# Altium PCB carrier_bak.PcbDoc (part 1 of 5) (continued)
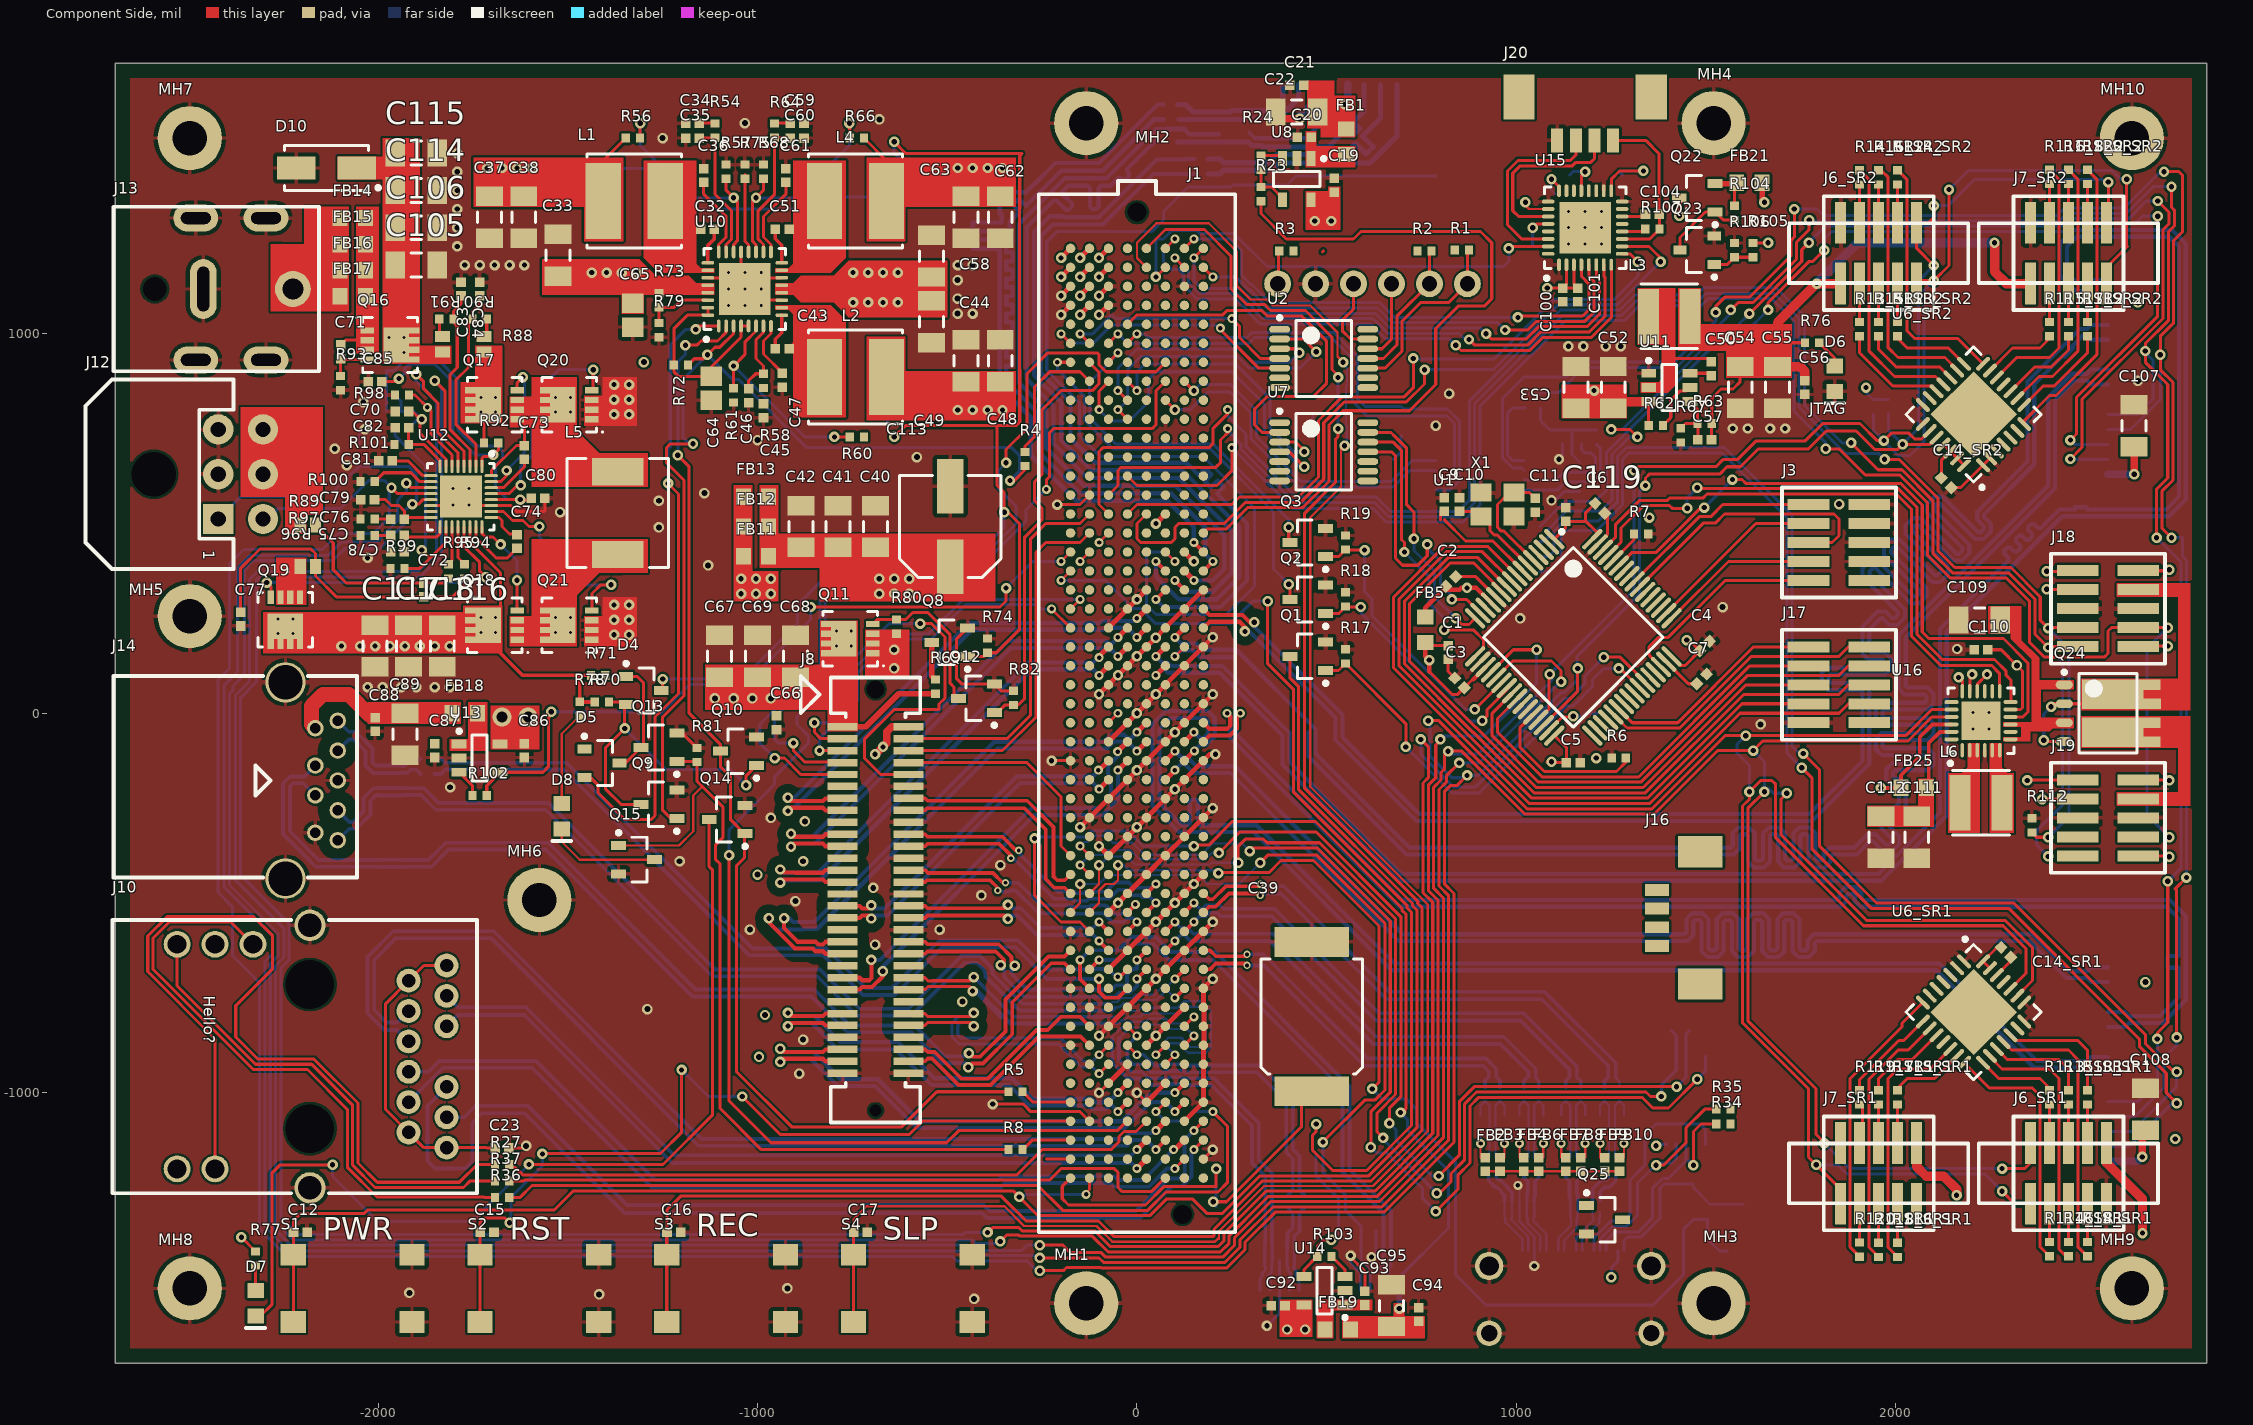
[diagram p0: Component Side view]
## Classes and differential pairs
net class 50ohm: SDC_CLK SDC_CMD SDC_D0 SDC_D1 SDC_D2 SDC_D3 SDCARD_CMD SDCARD_DAT0 SDCARD_DAT1 SDCARD_DAT2 SDCARD_DAT3
differential pair class usb_diff90: USB0_D USB1_D USBM2_D
component class CAM0: C13 C18 C107 C108 J4 J5 R11 R12 R20 R21 R22 R128 R129 R130 U3 U4 U5
component class carrier: C1 C2 C3 C4 C5 C6 C7 C8 C9 C10 C11 C12 C15 C16 C17 C39 C119 FB5 J2 J3 J16 J17 MH1 MH2 MH3 MH4 MH5 MH6 MH7 MH8 MH9 MH10 Q1 Q2 Q3 R1 R2 R3 R4 R5 R6 R7 R8 R9 R10 R17 R18 R19 S1 S2 S3 S4 U1 U2 U7 X1
component class ETH: C23 C24 C25 C26 C27 C28 C29 C30 C31 D1 D2 D3 FB2 FB3 FB4 FB6 FB7 FB8 FB9 FB10 J10 J11 Q4 Q25 R27 R28 R30 R32 R33 R34 R35 R36 R37 R38 R39 R40 R41 R42 R43 R44 R45 R46 R47 R48 R49 R50 R51 R52 R53 U9
component class GPIO: C109 C110 C111 C112 FB25 J18 J19 L6 Q24 R112 U16
component class M2: C19 C20 C21 C22 D14 D15 FB1 J8 J9 R23 R24 R25 R26 R125 R126 R127 U8
component class NVM: J1
component class PS1: C32 C33 C34 C35 C36 C37 C38 C40 C41 C42 C43 C44 C45 C46 C47 C48 C49 C50 C51 C52 C53 C54 C55 C56 C57 C58 C59 C60 C61 C62 C63 C64 C65 C66 C67 C68 C69 C70 C71 C72 C73 C74 C75 C76 C77 C78 C79 C80 C81 C82 C83 C84 C85 C105 C106 C113 C114 C115 C116 C117 C118 D4 D5 D6 D7 D8 D9 D10 FB11 FB12 FB13 FB14 FB15 FB16 FB17 J12 J13 L1 L2 L3 L4 L5 Q5 Q6 Q7 Q8 Q9 Q10 Q11 Q12 Q13 Q14 Q15 Q16 Q17 Q18 Q19 Q20 Q21 R54 R55 R56 R57 R58 R59 R60 R61 R62 R63 R64 R65 R66 R67 R68 R69 R70 R71 R72 R73 R74 R75 R76 R77 R78 R79 R80 R81 R82 R83 R84 R85 R86 R87 R88 R89 R90 R91 R92 R93 R94 R95 R96 R97 R98 R99 R100 R101 U10 U11 U12
component class SND: C98 C99 C100 C101 C102 C103 C104 FB21 J20 Q22 Q23 R104 R105 R106 R107 SPK1 U15
component class SR1: C14_SR1 J6_SR1 J7_SR1 R13_SR1 R14_SR1 R15_SR1 R16_SR1 R113_SR1 R114_SR1 R115_SR1 R116_SR1 R117_SR1 R118_SR1 R119_SR1 R120_SR1 U6_SR1
component class SR2: C14_SR2 J6_SR2 J7_SR2 R13_SR2 R14_SR2 R15_SR2 R16_SR2 R113_SR2 R114_SR2 R115_SR2 R116_SR2 R117_SR2 R118_SR2 R119_SR2 R120_SR2 U6_SR2
component class USB: C86 C87 C88 C89 C90 C91 C92 C93 C94 C95 C96 C97 D11 D12 D13 D16 FB18 FB19 J14 J15 R102 R103 U13 U14
net class diff90: USB0_D_N USB0_D_P USB0_RX_N USB0_RX_P USB0_TX_N USB0_TX_P USB0_TXc_N USB0_TXc_P USB1_D_N USB1_D_P USB1_RX_N USB1_RX_P USB1_TX_N USB1_TX_P USB1_TXc_N USB1_TXc_P USBM2_D_N USBM2_D_P USBM2_RX_N USBM2_RX_P USBM2_TX_N USBM2_TX_P
net class diff95: SATA_RX_N SATA_RX_P SATA_TX_N SATA_TX_P
net class diff100: CSI0_CLK_N CSI0_CLK_P CSI0_D0_N CSI0_D0_P CSI0_D1_N CSI0_D1_P CSI1_CLK_N CSI1_CLK_P CSI1_D0_N CSI1_D0_P CSI1_D1_N CSI1_D1_P CSI2_CLK_N CSI2_CLK_P CSI2_D0_N CSI2_D0_P CSI2_D1_N CSI2_D1_P CSI3_CLK_N CSI3_CLK_P CSI3_D0_N CSI3_D0_P CSI3_D1_N CSI3_D1_P DP0_D0_C_N DP0_D0_C_P DP0_D0_J_N DP0_D0_J_P DP0_D0_N DP0_D0_P DP0_D1_C_N DP0_D1_C_P DP0_D1_J_N DP0_D1_J_P DP0_D1_N DP0_D1_P DP0_D2_C_N DP0_D2_C_P DP0_D2_J_N DP0_D2_J_P DP0_D2_N DP0_D2_P DP0_D3_C_N DP0_D3_C_P DP0_D3_J_N DP0_D3_J_P DP0_D3_N DP0_D3_P DPM2_AUX_N DPM2_AUX_P DPM2_D0_N DPM2_D0_P DPM2_D1_N DPM2_D1_P DPM2_D2_N DPM2_D2_P DPM2_D3_N DPM2_D3_P MDI0_N MDI0_P MDI1_N MDI1_P MDI2_N MDI2_P MDI3_N MDI3_P
net class I2C_CAM1: I2C_CAM1.SCL I2C_CAM1.SDA
net class I2C_CAM2: I2C_CAM2.SCL I2C_CAM2.SDA
net class power: NetC21_2
channel class servos: SR1 SR2
differential pair class usb_diff100: USB0_RX USB0_TX USB0_TXc USB1_RX USB1_TX USB1_TXc USBM2_RX USBM2_TX
differential pair class hdmi_diff95: DP0_D0 DP0_D0_C DP0_D0_J DP0_D1 DP0_D1_C DP0_D1_J DP0_D2 DP0_D2_C DP0_D2_J DP0_D3 DP0_D3_C DP0_D3_J DPM2_AUX DPM2_D0 DPM2_D1 DPM2_D2 DPM2_D3
differential pair class csi_diff100: CSI0_CLK CSI0_D0 CSI0_D1 CSI1_CLK CSI1_D0 CSI1_D1 CSI2_CLK CSI2_D0 CSI2_D1 CSI3_CLK CSI3_D0 CSI3_D1
differential pair class mdi_diff: MDI0 MDI1 MDI2 MDI3
differential pair class sata_diff: SATA_RX SATA_TX
differential pair CSI0_CLK: +CSI0_CLK_P -CSI0_CLK_N
differential pair CSI0_D0: +CSI0_D0_P -CSI0_D0_N
differential pair CSI0_D1: +CSI0_D1_P -CSI0_D1_N
differential pair CSI1_CLK: +CSI1_CLK_P -CSI1_CLK_N
differential pair CSI1_D0: +CSI1_D0_P -CSI1_D0_N
differential pair CSI1_D1: +CSI1_D1_P -CSI1_D1_N
differential pair CSI2_CLK: +CSI2_CLK_P -CSI2_CLK_N
differential pair CSI2_D0: +CSI2_D0_P -CSI2_D0_N
differential pair CSI2_D1: +CSI2_D1_P -CSI2_D1_N
differential pair CSI3_CLK: +CSI3_CLK_P -CSI3_CLK_N
differential pair CSI3_D0: +CSI3_D0_P -CSI3_D0_N
differential pair CSI3_D1: +CSI3_D1_P -CSI3_D1_N
differential pair DP0_D0_C: +DP0_D0_C_P -DP0_D0_C_N
differential pair DP0_D0_J: +DP0_D0_J_P -DP0_D0_J_N
differential pair DP0_D0: +DP0_D0_P -DP0_D0_N
differential pair DP0_D1_C: +DP0_D1_C_P -DP0_D1_C_N
differential pair DP0_D1_J: +DP0_D1_J_P -DP0_D1_J_N
differential pair DP0_D1: +DP0_D1_P -DP0_D1_N
differential pair DP0_D2_C: +DP0_D2_C_P -DP0_D2_C_N
differential pair DP0_D2_J: +DP0_D2_J_P -DP0_D2_J_N
differential pair DP0_D2: +DP0_D2_P -DP0_D2_N
differential pair DP0_D3_C: +DP0_D3_C_P -DP0_D3_C_N
differential pair DP0_D3_J: +DP0_D3_J_P -DP0_D3_J_N
differential pair DP0_D3: +DP0_D3_P -DP0_D3_N
differential pair DPM2_AUX: +DPM2_AUX_P -DPM2_AUX_N
differential pair DPM2_D0: +DPM2_D0_P -DPM2_D0_N
differential pair DPM2_D1: +DPM2_D1_P -DPM2_D1_N
differential pair DPM2_D2: +DPM2_D2_P -DPM2_D2_N
differential pair DPM2_D3: +DPM2_D3_P -DPM2_D3_N
differential pair MDI0: +MDI0_P -MDI0_N
differential pair MDI1: +MDI1_P -MDI1_N
differential pair MDI2: +MDI2_P -MDI2_N
differential pair MDI3: +MDI3_P -MDI3_N
differential pair SATA_RX: +SATA_RX_P -SATA_RX_N
differential pair SATA_TX: +SATA_TX_P -SATA_TX_N
differential pair USB0_D: +USB0_D_P -USB0_D_N
differential pair USB0_RX: +USB0_RX_P -USB0_RX_N
differential pair USB0_TXc: +USB0_TXc_P -USB0_TXc_N
differential pair USB0_TX: +USB0_TX_P -USB0_TX_N
differential pair USB1_D: +USB1_D_P -USB1_D_N
differential pair USB1_RX: +USB1_RX_P -USB1_RX_N
differential pair USB1_TXc: +USB1_TXc_P -USB1_TXc_N
differential pair USB1_TX: +USB1_TX_P -USB1_TX_N
differential pair USBM2_D: +USBM2_D_P -USBM2_D_N
differential pair USBM2_RX: +USBM2_RX_P -USBM2_RX_N
differential pair USBM2_TX: +USBM2_TX_P -USBM2_TX_N

## Components (designator, comment, footprint, x,y, rotation, side; value= is the part's Value field where it differs from the comment)
C1 "cap" C1005[0402] 820,160 r270 top value=100n
C2 "cap" C1005[0402] 827.19,347.19 r45 top value=100n
C3 "cap" C1005[0402] 850,80 r135 top value=100n
C4 "cap" C1005[0402] 1496.06,177.17 r45 top value=100n
C5 "cap" C1005[0402] 1150,-130 r0 top value=100n
C6 "cap" C1005[0402] 1220,540 r315 top value=100n
C7 "cap" C1005[0402] 1488.19,90.55 r45 top value=100n
C8 "cap" C1005[0402] 1230.32,0 r0 bottom value=100n
C9 "cap" C1005[0402] 810,550 r90 top value=100n
C10 "cap" C1005[0402] 850,550 r90 top value=100n
C11 "cap" C1005[0402] 1050,548.11 r270 top value=100n
C12 "cap" C1005[0402] -2204.72,-1368.11 r180 top value=1n
C13 "cap" C1005[0402] 657.87,669.29 r180 bottom value=100n
C14_SR1 "cap" C1005[0402] 2290,-630 r135 top value=100n (schematic designator C14)
C14_SR2 "cap" C1005[0402] 2132.81,607.19 r135 top value=100n (schematic designator C14)
C15 "cap" C1005[0402] -1712.6,-1368.11 r180 top value=1n
C16 "cap" C1005[0402] -1220.47,-1368.11 r180 top value=1n
C17 "cap" C1005[0402] -728.35,-1368.11 r180 top value=1n
C18 "cap" C1005[0402] 1122.05,728.35 r90 bottom value=100n
C19 "cap" C1005[0402] 519.68,1391.73 r90 top value=100n
C20 "cap" C1005[0402] 440.94,1517.72 r0 top value=100n
C21 "cap" C1005[0402] 421.26,1655.51 r0 top value=10n
C22 "cap" C3216[1206] 421.26,1584.65 r0 top value=4u7
C23 "cap" C1005[0402] -1673.23,-1145.67 r180 top value=100n
C24 "cap" C1005[0402] 1271.65,-1003.94 r90 bottom value=100n
C25 "cap" C1005[0402] 1232.28,-1003.94 r90 bottom value=100n
C26 "cap" C1005[0402] 1169.29,-1003.94 r90 bottom value=100n
C27 "cap" C1005[0402] 1129.92,-1003.94 r90 bottom value=100n
C28 "cap" C1005[0402] 1059.06,-1003.94 r90 bottom value=100n
C29 "cap" C1005[0402] 1019.68,-1003.94 r90 bottom value=100n
C30 "cap" C1005[0402] 956.69,-1003.94 r90 bottom value=100n
C31 "cap" C1005[0402] 917.32,-1003.94 r90 bottom value=100n
C32 "cap" C1005[0402] -1131.89,1275.59 r0 top value=47n
C33 "cap" C3216[1206] -1525.59,1206.69 r270 top locked value=10u
C34 "cap" C1005[0402] -1171.26,1555.12 r0 top value=2n2
C35 "cap" C1005[0402] -1171.26,1515.75 r0 top value=22p
C36 "cap" C1005[0402] -1141.73,1417.32 r270 top value=10n
C37 "cap" C3216[1206] -1706.69,1307.09 r90 top locked value=22u
C38 "cap" C3216[1206] -1616.14,1307.09 r90 top locked value=22u
C39 "pcap" SC_DSK-3R3H224U-HL 460.63,-799.21 r90 top value=100n
C40 "cap" C3216[1206] -688.98,492.13 r270 top value=22u
C41 "cap" C3216[1206] -787.4,492.13 r270 top value=10u
C42 "cap" C3216[1206] -885.83,492.13 r270 top value=10u
C43 "cap" C1005[0402] -935.04,960.63 r180 top value=47n
C44 "cap" C3216[1206] -541.34,1031.5 r90 top locked value=10u
C45 "cap" C1005[0402] -984.25,797.24 r90 top value=2n2
C46 "cap" C1005[0402] -1023.62,836.61 r90 top value=22p
C47 "cap" C1005[0402] -935.04,877.56 r90 top value=10n
C48 "cap" C3216[1206] -360.24,929.13 r270 top locked value=22u
C49 "cap" C3216[1206] -450.79,929.13 r270 top locked value=22u
C50 "cap" C1005[0402] 1513.07,907.87 r270 top value=47n
C51 "cap" C1005[0402] -935.04,1275.59 r180 top value=47n
C52 "cap" C3216[1206] 1255.2,858.66 r270 top value=22u
C53 "cap" C3216[1206] 1156.77,858.66 r270 top value=22u
C54 "cap" C3216[1206] 1589.84,858.66 r90 top value=10u
C55 "cap" C3216[1206] 1688.27,858.66 r90 top value=10u
C56 "cap" C1005[0402] 1759.84,858.27 r90 top value=100n
C57 "cap" C1005[0402] 1496.06,720.47 r180 top value=DNC
C58 "cap" C3216[1206] -541.34,1204.72 r270 top locked value=10u
C59 "cap" C1005[0402] -895.67,1555.12 r180 top value=2n2
C60 "cap" C1005[0402] -895.67,1515.75 r180 top value=22p
C61 "cap" C1005[0402] -925.2,1417.32 r270 top value=10n
C62 "cap" C3216[1206] -360.24,1307.09 r90 top locked value=22u
C63 "cap" C3216[1206] -450.79,1307.09 r90 top locked value=22u
C64 "cap" C2012[0805] -1122.05,856.3 r90 top value=1u
C65 "cap" C2012[0805] -1328.74,1049.21 r90 top value=1u
C66 "cap" C1005[0402] -950,-25 r90 top value=100n
C67 "cap" C3216[1206] -1100,150 r270 top value=22u
C68 "cap" C3216[1206] -900,150 r270 top value=22u
C69 "cap" C3216[1206] -1000,150 r270 top value=22u
C70 "cap" C1005[0402] -1937.01,795.28 r0 top value=100n
C71 "cap" C1005[0402] -2098.43,952.76 r90 top value=4u7
C72 "cap" C1005[0402] -1879.92,324.8 r270 top value=100n
C73 "cap" C1005[0402] -1614.17,687.4 r90 top value=47n
C74 "cap" C1005[0402] -1633.86,452.76 r270 top value=47n
C75 "cap" C1005[0402] -1948.82,468.5 r180 top value=100n
C76 "cap" C1005[0402] -1948.82,511.81 r180 top value=100n
C77 "cap" C1005[0402] -2362.2,248.03 r270 top value=100n
C78 "cap" C1005[0402] -1948.82,425.2 r180 top value=100n
C79 "cap" C1005[0402] -2027.56,562.99 r180 top value=100n
C80 "cap" C1005[0402] -1578.74,566.93 r0 top value=100n
C81 "cap" C1005[0402] -1980.31,665.35 r0 top value=100n
C82 "cap" C1005[0402] -1937.01,751.97 r0 top value=100n
C83 "cap" C1005[0402] -1781.5,1118.11 r270 top value=15n
C84 "cap" C1005[0402] -1732.28,1118.11 r270 top value=15n
C85 "cap" C1005[0402] -2007.87,874.02 r0 top value=470n
C86 "cap" C1005[0402] -1614.17,-98.43 r270 top value=100n
C87 "cap" C1005[0402] -1850.39,-98.43 r90 top value=100n
C88 "cap" C1005[0402] -2007.87,-29.53 r90 top value=10n
C89 "cap" C3216[1206] -1929.13,-55.12 r90 top value=4u7
C90 "cap" C1005[0402] -1870.08,-120 r0 bottom value=100n
C91 "cap" C1005[0402] -1870,-160 r0 bottom value=100n
C92 "cap" C1005[0402] 372.05,-1561.02 r180 top value=100n
C93 "cap" C1005[0402] 600.39,-1541.34 r270 top value=100n
C94 "cap" C1005[0402] 742.13,-1584.65 r270 top value=10n
C95 "cap" C3216[1206] 671.26,-1561.02 r270 top value=4u7
C96 "cap" C1005[0402] 398.74,-1286.46 r90 bottom value=100n
C97 "cap" C1005[0402] 440,-1286.46 r90 bottom value=100n
C98 "cap" C1005[0402] 1060,1230 r180 bottom value=100n
C99 "cap" C1005[0402] 1280,1400 r90 bottom value=100n
C100 "cap" C1005[0402] 1122.05,1102.36 r90 top value=100n
C101 "cap" C1005[0402] 1161.42,1102.36 r90 top value=100n
C102 "cap" C1005[0402] 1140,1400 r90 bottom value=100n
C103 "cap" C1005[0402] 1102.36,1350.39 r90 bottom value=100n
C104 "cap" C1005[0402] 1358.27,1314.96 r0 top value=100n
C105 "cap" C3216[1206] -1899.61,1181.1 r180 top value=10u
C106 "cap" C3216[1206] -1899.61,1279.53 r180 top value=10u
C107 "cap" C3216[1206] 2627.95,757.87 r90 top value=10u
C108 "cap" C3216[1206] 2657.48,-1043.31 r90 top value=10u
C109 "cap" C3216[1206] 2220.47,246.06 r0 top value=4u7
C110 "cap" C1005[0402] 2224.41,167.32 r0 top value=100n
C111 "cap" C3216[1206] 2055.12,-326.77 r90 top value=10u
C112 "cap" C3216[1206] 1960.63,-326.77 r90 top value=10u
C113 "pcap" CAPAE7366X55M -492.13,492.13 r90 top locked value=100n
C114 "cap" C3216[1206] -1899.61,1377.95 r180 top value=10u
C115 "cap" C3216[1206] -1899.61,1476.38 r180 top value=10u
C116 "cap" C3216[1206] -1830.71,177.17 r90 top value=10u
C117 "cap" C3216[1206] -2007.87,177.17 r90 top value=10u
C118 "cap" C3216[1206] -1919.29,177.17 r90 top value=10u
C119 "cap" C1005[0402] 1129.92,523.62 r90 top value=100n
D1 "TPD4E05U06" TI_PSON50P100X55-10N 1338.58,-1287.4 r270 bottom
D2 "TPD4E05U06" TI_PSON50P100X55-10N 1181.1,-1299.21 r270 bottom
D3 "TPD4E05U06" TI_PSON50P100X55-10N 1007.87,-1299.21 r90 bottom
D4 "BAS40-5" DCC_SOT95P235X110-3N -1300,60 r0 top
D5 "BAS40-5" DCC_SOT95P235X110-3N -1410,-131.5 r0 top
D6 "0603" LEDC1608X06N 1838.58,881.89 r90 top
D7 "0603" LEDC1608X06N -2322.83,-1555.12 r90 top
D8 "0603" LEDC1608X06N -1515.75,-271.65 r90 top
D9 "Zener" DCA_SOT95P235X110-3N -2050,660 r90 bottom
D10 "P6SMB12A" SMA_DIOM5226X22N -2135.83,1437.01 r180 top
D11 "TPD4E05U06" TI_PSON50P100X55-10N -1968.5,-177.17 r180 bottom
D12 "TPD4E05U06" TI_PSON50P100X55-10N 375.98,-1427.17 r90 bottom
D13 "TPD4E05U06" TI_PSON50P100X55-10N 629.92,-1377.95 r90 bottom
D14 "TPD4E05U06" TI_PSON50P100X55-10N 267.72,1411.42 r180 bottom
D15 "TPD4E05U06" TI_PSON50P100X55-10N 187.01,1545.28 r180 bottom
D16 "TPD4E05U06" TI_PSON50P100X55-10N -1968.5,-366.14 r180 bottom
FB1 "2506036007Y3" FBC1608X07N 551.18,1505.91 r90 top
FB2 "Ferrite bead" FBC1005X06N 917.32,-1188.98 r90 top value=600R
FB3 "Ferrite bead" FBC1005X06N 956.69,-1188.98 r90 top value=600R
FB4 "Ferrite bead" FBC1005X06N 1019.68,-1188.98 r90 top value=600R
FB5 "2506036007Y3" FBC1608X07N 760,220 r90 top
FB6 "Ferrite bead" FBC1005X06N 1059.06,-1188.98 r90 top value=600R
FB7 "Ferrite bead" FBC1005X06N 1129.92,-1188.98 r90 top value=600R
FB8 "Ferrite bead" FBC1005X06N 1169.29,-1188.98 r90 top value=600R
FB9 "Ferrite bead" FBC1005X06N 1232.28,-1188.98 r90 top value=600R
FB10 "Ferrite bead" FBC1005X06N 1271.65,-1188.98 r90 top value=600R
FB11 "2506036007Y3" FBC1608X07N -1003.94,413.39 r0 top
FB12 "2506036007Y3" FBC1608X07N -1003.94,492.13 r0 top
FB13 "2506036007Y3" FBC1608X07N -1003.94,570.87 r0 top
FB14 "2506036007Y3" FBC1608X07N -2066.93,1305.12 r0 top
FB15 "2506036007Y3" FBC1608X07N -2066.93,1236.22 r0 top
FB16 "2506036007Y3" FBC1608X07N -2066.93,1167.32 r0 top
FB17 "2506036007Y3" FBC1608X07N -2066.93,1098.43 r0 top
FB18 "2506036007Y3" FBC1608X07N -1771.65,0 r180 top
FB19 "2506036007Y3" FBC1608X07N 529.53,-1624.02 r0 top
FB21 "Ferrite bead" FBC1608X07N 1614.17,1397.64 r180 top value=60R
FB25 "Ferrite bead" FBC1608X07N 2047.24,-196.85 r180 top value=60R
J1 "SEAM-50-02.0-XX-08-X-A" SEAM-50-02.0-XX-08-X-A 0,0 r90 top locked
J2 "1x6" HDR_100MIL_1X6 370.87,1131.89 r0 bottom
J3 "FTSH-105-01-XXX-DV-K" FTSH-105-01-XXX-DV-K 1850,450 r90 top locked
J4 "ffc_1x15" fci_ffc_1mm_1x15 2559.06,-629.92 r270 bottom
J5 "ffc_1x15" fci_ffc_1mm_1x15 2559.06,1181.1 r270 bottom locked
J6_SR1 "FTSH-105-01-XXX-DV-K" FTSH-105-01-XXX-DV-K 2454.72,-1212.4 r180 top locked (schematic designator J6)
J6_SR2 "FTSH-105-01-XXX-DV-K" FTSH-105-01-XXX-DV-K 1954.72,1212.4 r0 top locked (schematic designator J6)
J7_SR1 "FTSH-105-01-XXX-DV-K" FTSH-105-01-XXX-DV-K 1954.72,-1212.4 r180 top locked (schematic designator J7)
J7_SR2 "FTSH-105-01-XXX-DV-K" FTSH-105-01-XXX-DV-K 2454.72,1212.4 r0 top locked (schematic designator J7)
J8 "61082-06xx0xxxx" fci_mezzanine_61082 -688.98,-492.13 r90 top locked
J9 "molex_usd" molex_usd 562.99,1667.32 r0 bottom locked
J10 "ARJE-025" abraconn_rj45_arje0025 -2179.53,-904.79 r270 top locked
J11 "685119136923" wurth_hdmi_mini 1141.73,-1456.69 r180 bottom
J12 "43045-0600" molex_microfit_2x6_90deg -2421.26,629.92 r270 top
J13 "PJ-082BH" CUI_DC_5.5MM_PJ028 -2696.85,1118.11 r0 top locked
J14 "usb3_a" usb3_a -2244.09,-177.17 r270 top locked
J15 "usb3_micro_ab" usb3_micro_ab 639.76,-1683.07 r180 bottom
J16 "1x4" molex_picoblade_1x4 1484.25,-539.37 r90 top
J17 "FTSH-105-01-XXX-DV-K" FTSH-105-01-XXX-DV-K 1850,75 r90 top locked
J18 "FTSH-105-01-XXX-DV-K" FTSH-105-01-XXX-DV-K 2559.06,275.59 r90 top
J19 "FTSH-105-01-XXX-DV-K" FTSH-105-01-XXX-DV-K 2559.06,-275.59 r90 top
J20 "1x4" molex_picoblade_1x4 1181.1,1624.02 r180 top
L1 "ASPI-0630LR-XXXM-T15" BOURNS_SRN6045TA-XXX -1324.8,1350.39 r180 top locked value=4u7
L2 "ASPI-0630LR-XXXM-T15" BOURNS_SRN6045TA-XXX -742.13,885.83 r0 top locked value=4u7
L3 "ASPI-0630LR-XXXM-T15" YUDEN_NRS4018T-XXXMDGJ 1402.83,1045.67 r0 top value=3u3
L4 "ASPI-0630LR-XXXM-T15" BOURNS_SRN6045TA-XXX -742.13,1350.39 r0 top locked value=4u7
L5 "ASPI-0630LR-XXXM-T15" VISHAY_IHLM2525CZERXXXM01 -1368.11,527.56 r270 top locked value=2u2
L6 "ASPI-0630LR-XXXM-T15" YUDEN_NRS4018T-XXXMDGJ 2224.41,-236.22 r180 top value=2u2
MH1 "M3" m2_pan_loose_round -133.86,-1555.12 r0 top locked
MH2 "M3" m2_pan_loose_round -133.86,1555.12 r0 top locked
MH3 "M3" m2_pan_loose_round 1519.68,-1555.12 r0 top locked
MH4 "M3" m2_pan_loose_round 1519.68,1555.12 r0 top locked
MH5 "M3" m2_pan_loose_round -2496.06,255.91 r0 top
MH6 "M3" m2_pan_loose_round -1574.8,-492.13 r0 top locked
MH7 "M3" m2_pan_loose_round -2496.06,1515.75 r0 top
MH8 "M3" m2_pan_loose_round -2496.06,-1515.75 r0 top
MH9 "M3" m2_pan_loose_round 2622.05,-1515.75 r0 top
MH10 "M3" m2_pan_loose_round 2622.05,1515.75 r0 top
Q1 "NTR4003N" NCH_SOT95P237X110-3N 450,150 r180 top
Q2 "NTR4003N" NCH_SOT95P237X110-3N 450,300 r180 top
Q3 "NTR4003N" NCH_SOT95P237X110-3N 450,450 r180 top
Q4 "NTR4003N" NCH_SOT95P237X110-3N 1503.94,-1287.4 r270 bottom
Q5 "NTR4003N" NCH_SOT95P237X110-3N -1456.69,1397.64 r180 bottom
Q6 "NTR4003N" NCH_SOT95P237X110-3N -610.24,836.61 r0 bottom
Q7 "NTR4003N" NCH_SOT95P237X110-3N -610.24,1397.64 r0 bottom
Q8 "NTR4003N" NCH_SOT95P237X110-3N -493.55,187.01 r180 top
Q9 "NTR4003N" NCH_SOT95P237X110-3N -1260,-240 r180 top
Q10 "NTR4003N" NCH_SOT95P237X110-3N -1050,-100 r180 top
Q11 "FDMC6679AZ" NCH_SON65P330X80_HS-9N -755.91,196.85 r180 top
Q12 "NTR4003N" NCH_SOT95P237X110-3N -423.23,39.37 r180 top
Q13 "NTR4003N" NCH_SOT95P237X110-3N -1260,-90 r180 top
Q14 "NTR4003N" NCH_SOT95P237X110-3N -1080,-280 r180 top
Q15 "NTR4003N" NCH_SOT95P237X110-3N -1318.9,-385.83 r0 top
Q16 "FDMC6679AZ" NCH_SON65P330X80_HS-9N -1968.5,970.47 r0 top
Q17 "CSD17551" NCH_SON65P330X80_HS-9N -1692.91,812.99 r180 top locked
Q18 "CSD17551" NCH_SON65P330X80_HS-9N -1692.91,232.28 r180 top locked
Q19 "FDMC6679AZ" NCH_SON65P330X80_HS-9N -2244.09,246.06 r270 top
Q20 "CSD17551" NCH_SON65P330X80_HS-9N -1496.06,812.99 r180 top locked
Q21 "CSD17551" NCH_SON65P330X80_HS-9N -1496.06,232.28 r180 top locked
Q22 "DMG2301L" NCH_SOT95P237X110-3N 1476.38,1358.27 r180 top
Q23 "MMBT3904" NPN_SOT95P230X110-3N 1476.38,1220.47 r180 top
Q24 "PHPT610030PK" NXP_LFPAK56D127P610X105-8N 2559.06,0 r0 top
Q25 "NTR4003N" NCH_SOT95P237X110-3N 1232.28,-1334.84 r0 top
R1 "res" R1005[0402] 856.3,1220.47 r180 top value=10K
R2 "res" R1005[0402] 757.87,1218.5 r180 top value=10K
R3 "res" R1005[0402] 393.7,1218.5 r0 top value=POLYFUSE
R4 "res" R1005[0402] -295,670 r270 top value=0R
R5 "res" R1005[0402] -320,-997.46 r180 top value=0R
R6 "res" R1005[0402] 1269.68,-118.11 r0 top value=10K
R7 "res" R1005[0402] 1328.74,472.44 r180 top value=10K
R8 "res" R1005[0402] -320,-1150 r180 top value=0R
R9 "res" R1005[0402] 1940.94,807.09 r90 bottom value=10K
R10 "res" R1005[0402] 1980.32,808.07 r90 bottom value=10K
R11 "res" R1005[0402] 1210.63,728.35 r90 bottom value=10K
R12 "res" R1005[0402] 1171.26,728.35 r90 bottom value=10K
R13_SR1 "res" R1005[0402] 2504.72,-1012.4 r270 top value=220R (schematic designator R13)
R13_SR2 "res" R1005[0402] 1904.72,1012.4 r90 top value=220R (schematic designator R13)
R14_SR1 "res" R1005[0402] 2504.72,-1412.4 r90 top value=220R (schematic designator R14)
R14_SR2 "res" R1005[0402] 1904.72,1412.4 r270 top value=220R (schematic designator R14)
R15_SR1 "res" R1005[0402] 2454.72,-1012.4 r270 top value=220R (schematic designator R15)
R15_SR2 "res" R1005[0402] 1954.72,1012.4 r90 top value=220R (schematic designator R15)
R16_SR1 "res" R1005[0402] 2454.72,-1412.4 r90 top value=220R (schematic designator R16)
R16_SR2 "res" R1005[0402] 1954.72,1412.4 r270 top value=220R (schematic designator R16)
R17 "res" R1005[0402] 550,150 r270 top value=10K
R18 "res" R1005[0402] 550,300 r270 top value=10K
R19 "res" R1005[0402] 550,450 r270 top value=10K
R20 "res" R1005[0402] 1062.99,822.83 r90 bottom value=DNC
R21 "res" R1005[0402] 1023.62,822.83 r270 bottom value=0R
R22 "res" R1005[0402] 1043.31,374.02 r180 bottom value=10K
R23 "res" R1005[0402] 326.77,1368.11 r90 top value=10K
R24 "res" R1005[0402] 326.77,1450.79 r90 top value=100R
R25 "res" R1005[0402] 88.58,1505.91 r0 bottom value=10R
R26 "res" R1005[0402] 88.58,1564.96 r0 bottom value=10R
R27 "res" R1005[0402] -1673.23,-1188.98 r0 top value=680R
R28 "res" R1005[0402] 1574.8,-1417.32 r0 bottom value=10K
R30 "res" R1005[0402] 1598.43,-1275.59 r90 bottom value=100K
R32 "res" R1005[0402] 1407.48,-816.93 r90 bottom value=1K8
R33 "res" R1005[0402] 1456.69,-816.93 r90 bottom value=1K8
R34 "res" R1005[0402] 1545.28,-1082.68 r0 top value=10K
R35 "res" R1005[0402] 1545.28,-1043.31 r0 top value=10K
R36 "res" R1005[0402] -1673.23,-1275.59 r180 top value=680R
R37 "res" R1005[0402] -1673.23,-1232.28 r0 top value=680R
R38 "res" R1005[0402] 1271.65,-1188.98 r270 bottom value=5R6
R39 "res" R1005[0402] 1232.28,-1188.98 r270 bottom value=5R6
R40 "res" R1005[0402] 1169.29,-1188.98 r270 bottom value=5R6
R41 "res" R1005[0402] 1129.92,-1188.98 r270 bottom value=5R6
R42 "res" R1005[0402] 1059.05,-1188.98 r270 bottom value=5R6
R43 "res" R1005[0402] 1019.68,-1188.98 r270 bottom value=5R6
R44 "res" R1005[0402] 956.69,-1188.98 r270 bottom value=5R6
R45 "res" R1005[0402] 917.32,-1188.98 r270 bottom value=5R6
R46 "res" R1005[0402] 905.51,-1078.74 r90 bottom value=499R
R47 "res" R1005[0402] 968.5,-1078.74 r90 bottom value=499R
R48 "res" R1005[0402] 1007.87,-1078.74 r90 bottom value=499R
R49 "res" R1005[0402] 1070.87,-1078.74 r90 bottom value=499R
R50 "res" R1005[0402] 1118.11,-1078.74 r90 bottom value=499R
R51 "res" R1005[0402] 1181.1,-1078.74 r90 bottom value=499R
R52 "res" R1005[0402] 1220.47,-1078.74 r90 bottom value=499R
R53 "res" R1005[0402] 1283.46,-1078.74 r90 bottom value=499R
R54 "res" R1005[0402] -1112.2,1535.43 r270 top value=30K
R55 "res" R1005[0402] -1555.12,1417.32 r270 bottom value=100R
R56 "res" R1005[0402] -1328.74,1515.75 r0 top value=10K
R57 "res" R1005[0402] -1082.68,1427.17 r90 top value=10K
R58 "res" R1005[0402] -984.25,875.98 r90 top value=30K
R59 "res" R1005[0402] -511.81,818.9 r90 bottom value=47R
R60 "res" R1005[0402] -738.19,728.35 r180 top value=10K
R61 "res" R1005[0402] -1062.99,837.6 r270 top value=10K
R62 "res" R1005[0402] 1367.4,758.27 r0 top value=10K
R63 "res" R1005[0402] 1496.06,763.78 r0 top value=10K
R64 "res" R1005[0402] -954.72,1535.43 r270 top value=30K
R65 "res" R1005[0402] -511.81,1417.32 r270 bottom value=36R
R66 "res" R1005[0402] -738.19,1515.75 r180 top value=10K
R67 "res" R1005[0402] 1433.07,732.28 r90 top value=10K
R68 "res" R1005[0402] -984.25,1427.17 r90 top value=10K
R69 "res" R1005[0402] -531.5,69.88 r270 top value=10K
R70 "res" R1005[0402] -1410,30 r0 top value=100K
R71 "res" R1005[0402] -1420,100 r0 top value=100K
R72 "res" R1005[0402] -1201.86,917.48 r0 top value=DNC
R73 "res" R1005[0402] -1259.84,1088.58 r90 top value=10K
R74 "res" R1005[0402] -393.7,178.15 r270 top value=100K
R75 "res" R1005[0402] -1033.46,1427.17 r270 top value=10K
R76 "res" R1005[0402] 1779.53,976.38 r180 top value=10K
R77 "res" R1005[0402] -2322.83,-1437.01 r90 top value=10K
R78 "res" R1005[0402] -1468.5,11.81 r90 top value=10K
R79 "res" R1005[0402] -1259.84,1009.84 r90 top value=10K
R80 "res" R1005[0402] -633.86,228.35 r270 top value=100K
R81 "res" R1005[0402] -1160,-110 r90 top value=100K
R82 "res" R1005[0402] -324.8,40.35 r270 top value=470K
R83 "res" R1005[0402] -2180,540 r180 bottom value=DNC
R84 "res" R1005[0402] -2180,580 r180 bottom value=DNC
R85 "res" R1005[0402] -1937.01,838.58 r0 bottom value=10K
R86 "res" R1005[0402] -1937.01,751.97 r180 bottom value=10K
R87 "res" R1005[0402] -1958.66,795.28 r0 bottom value=10R
R88 "res_sens" 4W_R320P320X90-4N -1775.59,972.44 r180 top value=10K
R89 "res_sens" 4W_R320P320X90-4N -2185.04,440.94 r90 top value=10K
R90 "res" R1005[0402] -1819.88,1039.37 r180 top value=10R
R91 "res" R1005[0402] -1732.28,1039.37 r0 top value=10R
R92 "res" R1005[0402] -1701.77,712.6 r180 top value=1R
R93 "res" R1005[0402] -2098.43,870.08 r90 top value=10K
R94 "res" R1005[0402] -1771.65,374.02 r270 top value=10K
R95 "res" R1005[0402] -1814.96,374.02 r270 top value=10K
R96 "res" R1005[0402] -2027.56,468.5 r0 top value=10K
R97 "res" R1005[0402] -2027.56,511.81 r0 top value=10K
R98 "res" R1005[0402] -1937.01,838.58 r180 top value=10K
R99 "res" R1005[0402] -1948.82,381.89 r180 top value=10K
R100 "res" R1005[0402] -2027.56,610.24 r0 top value=10K
R101 "res" R1005[0402] -1937.99,708.66 r0 top value=10K
R102 "res" R1005[0402] -1732.28,-216.54 r180 top value=100R
R103 "res" R1005[0402] 494.09,-1431.1 r0 top value=100R
R104 "res" R1005[0402] 1574.8,1318.9 r90 top value=100K
R105 "res" R1005[0402] 1624.02,1220.47 r270 top value=10K
R106 "res" R1005[0402] 1574.8,1220.47 r270 top value=10K
R107 "res" R1005[0402] 1358.27,1275.59 r180 top value=2K2
R112 "res" R1005[0402] 2358.27,-295.28 r270 top value=10K
R113_SR1 "res" R1005[0402] 2404.72,-1012.4 r270 top value=220R (schematic designator R113)
R113_SR2 "res" R1005[0402] 2004.72,1012.4 r90 top value=220R (schematic designator R113)
R114_SR1 "res" R1005[0402] 2404.72,-1412.4 r90 top value=220R (schematic designator R114)
R114_SR2 "res" R1005[0402] 2004.72,1412.4 r270 top value=220R (schematic designator R114)
R115_SR1 "res" R1005[0402] 2004.72,-1012.4 r270 top value=220R (schematic designator R115)
R115_SR2 "res" R1005[0402] 2404.72,1012.4 r90 top value=220R (schematic designator R115)
R116_SR1 "res" R1005[0402] 2004.72,-1414.37 r90 top value=220R (schematic designator R116)
R116_SR2 "res" R1005[0402] 2404.72,1413.39 r270 top value=220R (schematic designator R116)
R117_SR1 "res" R1005[0402] 1954.72,-1012.4 r270 top value=220R (schematic designator R117)
R117_SR2 "res" R1005[0402] 2454.72,1012.4 r90 top value=220R (schematic designator R117)
R118_SR1 "res" R1005[0402] 1954.72,-1414.37 r90 top value=220R (schematic designator R118)
R118_SR2 "res" R1005[0402] 2454.72,1413.39 r270 top value=220R (schematic designator R118)
R119_SR1 "res" R1005[0402] 1904.72,-1012.4 r270 top value=220R (schematic designator R119)
R119_SR2 "res" R1005[0402] 2504.72,1012.4 r90 top value=220R (schematic designator R119)
R120_SR1 "res" R1005[0402] 1904.72,-1413.39 r90 top (schematic designator R120)
R120_SR2 "res" R1005[0402] 2504.72,1413.39 r270 top (schematic designator R120)
R125 "res" R1005[0402] 88.58,1604.33 r0 bottom value=10R
R126 "res" R1005[0402] 169.29,1421.26 r0 bottom value=10R
R127 "res" R1005[0402] 169.29,1460.63 r0 bottom value=10R
R128 "res" R1005[0402] 1043.31,413.39 r180 bottom value=10K
R129 "res" R1005[0402] 1043.31,452.76 r180 bottom value=10K
R130 "res" R1005[0402] 1043.31,492.13 r180 bottom value=10K
S1 "PWR" SW_6MM_TACT -2066.93,-1515.75 r90 top
S2 "RST" SW_6MM_TACT -1574.8,-1515.75 r90 top
S3 "REC" SW_6MM_TACT -1082.68,-1515.75 r90 top
S4 "SLP" SW_6MM_TACT -590.55,-1515.75 r90 top
SPK1 "AS01808AO-SC-WP-R" PUI_AUDIO_SPEAKER 2085,1615 r0 bottom
U1 "STM32F415RGT6" STM-LQFP64_N 1150,200 r315 top locked
U2 "LSF0204" TI_TSOP65P640X120-14N 492.13,935.04 r0 top
U3 "TCA9548A" TI_TSOP65P640X120-24N 1283.78,520 r180 bottom
U4 "LSF0204" TI_TSOP65P640X120-14N 904,640 r0 bottom
U5 "AT24C02D" AT_TSOP65P640X120-8N 580,770 r0 bottom
U6_SR1 "PCA9685" NXP_QFN65P600X600X100_HS-29M 2204.72,-787.4 r315 top locked (schematic designator U6)
U6_SR2 "PCA9685" NXP_QFN65P600X600X100_HS-29M 2204.72,787.4 r135 top locked (schematic designator U6)
U7 "LSF0204" TI_TSOP65P640X120-14N 492.13,688.98 r0 top
U8 "TPS2065C" TI_SOT95P280X145-5N 421.26,1407.48 r270 top
U9 "LSF0204" TI_TSOP65P640X120-14N 1472.44,-1019.68 r270 bottom
U10 "tps65261" TI_QFN50P500X500X100_HS-33M -1033.46,1118.11 r90 top locked
U11 "tps56120x" TI_SOT95P280X110-6N 1402.83,858.66 r0 top
U12 "BQ25703A" TI_QFN40P400X400X80_HS-33M -1781.5,570.87 r270 top
U13 "TPS2065C" TI_SOT95P280X145-5N -1732.28,-118.11 r0 top
U14 "TPS2065C" TI_SOT95P280X145-5N 494.09,-1521.65 r180 top
U15 "TLV320AIC31XX" TI_QFN50P500X500X100_HS-33M 1181.1,1279.53 r90 top locked
U16 "LM3549" TI_QFN50P400X400X80_HS-25M 2224.41,-19.68 r90 top locked
X1 "crystal_shielded" FA-238 950,550 r0 top value=25.00MHz

## Footprints (in the part's own frame and the unit in brackets; to place one, negate y for a bottom-side part, rotate by r counter-clockwise, add the part's x,y. Pads: shape width x height; smd on the part's side, far side on the other; paste and mask are expansions set on the pad)
4W_R320P320X90-4N [mm] "WSK1206 4 Lead 1206, 4-Leads, Body 1.60x3.20mm, Pitch 3.20mm, IPC Medium Density"
  rect 1x0.75 smd: 1(-1.389,0.51) 2(1.389,0.51) S1(-1.389,-0.51) S2(1.389,-0.51)
  silkscreen extent -1.78,1.28 -1.68,1.37, body extent -1.73,-0.92 1.73,0.92, height 0.9
abraconn_rj45_arje0025 [mm]
  round 1.6 hole 0.9: 1(5.08,6.604) 2(3.048,6.604) 3(1.016,6.604) 4(-1.016,6.604) 5(-3.048,6.604) 6(-5.08,6.604) 7(6.096,9.144) 8(4.064,9.144) 9(2.032,9.144) 10(-2.032,9.144) 11(-4.064,9.144) 12(-6.096,9.144)
  round 1.8 hole 1.27: 13(7.518,-6.35) 14(7.518,-8.89) 15(-7.518,-3.81) 16(-7.518,-6.35) 17(-7.518,-8.89)
  round 2.1 hole 3.251: 18(-4.826,0) 18(4.826,0)
  round 2.1 hole 1.57: SHIELD(-8.788,0) SHIELD(8.788,0)
  silkscreen extent -9.14,-13.21 9.14,11.18, body extent -10.34,-13.21 10.34,11.17, height 15.35
AT_TSOP65P640X120-8N [mm] "TSOP, 8-Leads, Body 3.00x4.40mm, Pitch 0.65mm, IPC Medium Density"
  oval 1.4x0.45 smd: 1(-2.95,0.975) 2(-2.95,0.325) 3(-2.95,-0.325) 4(-2.95,-0.975) 5(2.95,-0.975) 6(2.95,-0.325) 7(2.95,0.325) 8(2.95,0.975)
  silkscreen extent -3.07,-1.55 1.85,1.87, body extent -2.25,-1.55 2.25,1.55, height 1.2
BOURNS_SRN6045TA-XXX [mm] "Molded Inductor, 2-Leads, Body 6.00x6.00mm, IPC Medium Density"
  rect 2.35x5.1 smd: 1(-2.075,0) 2(2.075,0)
  silkscreen extent -3.15,-3.15 3.15,3.15, body extent -3.15,-3.15 3.15,3.15, height 4.2
C1005[0402] [mm] "1005[0402]"
  rect 0.64x0.64 smd: 1(-0.46,0) 2(0.46,0)
  body extent -0.55,-0.3 0.55,0.3, height 0.6
C2012[0805] [mm] "2012[0805]"
  rect 1.3x1.45 smd: 1(-0.8,0) 2(0.8,0)
  body extent -1.1,-0.72 1.1,0.72, height 1.1
C3216[1206] [mm] "3216[1206]"
  rect 1.3x1.8 smd: 1(-1.4,0) 2(1.4,0)
  silkscreen extent -0.35,-0.8 0.35,0.8, body extent -1.7,-0.9 1.7,0.9, height 1.35
CAPAE7366X55M [mm] "Aluminum Electrolytic Capacitor, Body 6.60x6.60x5.50mm, IPC Low Density"
  rect 3.65x1.8 smd: 1(-2.7,0) 2(2.7,0)
  silkscreen extent -3.4,-3.4 3.4,3.4, body extent -3.65,-3.4 3.65,3.4, height 5.5
CUI_DC_5.5MM_PJ028 [mm] "2.5MM 5.5MM PJ-028BH"
  round 2.4 hole 1.4: 1(12,0)
  rrect100% 1.8x4 hole 0.8 slot 3 at 90 deg: 2(6,0)
  rrect100% 3x1.8 hole 0.8 slot 2 at 0 deg: 3(5.5,-4.75) 3(5.5,4.75) 3(10.2,-4.75) 3(10.2,4.75)
  round 0.9 hole 1.6: 18(2.75,0)
  silkscreen extent 0,-5.5 13.75,5.5, body extent -0.03,-5.1 13.1,5.1, height 10.15
DCA_SOT95P235X110-3N [mm] "SOT23, 3-Leads, Body 2.90x2.35mm, Pitch 0.95mm, IPC Medium Density"
  rect 0.95x0.6 smd: A(1.175,0) C1(-1.175,0.95) C2(-1.175,-0.95)
  silkscreen extent -1.3,-1.5 0.7,1.93, body extent -0.7,-1.5 0.7,1.5, height 1.1
DCC_SOT95P235X110-3N [mm] "SOT23, 3-Leads, Body 2.90x2.35mm, Pitch 0.95mm, IPC Medium Density"
  rect 0.95x0.6 smd: A1(-1.175,0.95) A2(-1.175,-0.95) C(1.175,0)
  silkscreen extent -1.3,-1.5 0.7,1.92, body extent -0.7,-1.5 0.7,1.5, height 1.1
FA-238 [mm] "DFN, 4-Leads, Body 2.50x3.20mm, Pitch 2.10mm, IPC Medium Density"
  rect 1.4x1.2 smd: 1(-1.1,-0.8) 2(-1.1,0.8) 2(1.1,-0.8) 3(1.1,0.8)
  silkscreen extent -1.7,1.65 -1.6,1.75, body extent -1.65,-1.3 1.65,1.3, height 0.7
FBC1005X06N [mm] "Chip Ferrite Bead, 2-Leads, Body 1.00x0.50mm, IPC Medium Density"
  rect 0.64x0.64 smd: 1(-0.46,0) 2(0.46,0)
  body extent -0.55,-0.3 0.55,0.3, height 0.6
FBC1608X07N [mm] "Chip Ferrite bead 2-Leads, Body 1.60x0.80mm, IPC Medium Density"
  rect 1x1.1 smd: 1(-0.85,0) 2(0.85,0)
  body extent -0.88,-0.48 0.87,0.47, height 0.71
fci_ffc_1mm_1x15 [mm]
  rect 0.6x2 smd: 1(0,0) 2(1,0) 3(2,0) 4(3,0) 5(4,0) 6(5,0) 7(6,0) 8(7,0) 9(8,0) 10(9,0) 11(10,0) 12(11,0) 13(12,0) 14(13,0) 15(14,0)
  rect 0.6x4.2 smd: 16(-1,-2.1) 16(15,-2.1)
  silkscreen extent -3.75,-6 17.5,-0.5, body extent -3.75,-6 17.5,-0.5, height 2.7
fci_mezzanine_61082 [mm]
  rect 0.5x2 smd: 1(11.6,2.2) 2(11.6,-2.2) 2(11.6,-2.2) 3(10.8,2.2) 4(10.8,-2.2) 5(10,2.2) 6(10,-2.2) 7(9.2,2.2) 8(9.2,-2.2) 9(8.4,2.2) 10(8.4,-2.2) 11(7.6,2.2) 12(7.6,-2.2) 13(6.8,2.2) 14(6.8,-2.2) 15(6,2.2) 16(6,-2.2) 17(5.2,2.2) 18(5.2,-2.2) 19(4.4,2.2) 20(4.4,-2.2) 21(3.6,2.2) 22(3.6,-2.2) 23(2.8,2.2) 24(2.8,-2.2) 25(2,2.2) 26(2,-2.2) 27(1.2,2.2) 28(1.2,-2.2) 29(0.4,2.2) 30(0.4,-2.2) 31(-0.4,2.2) 32(-0.4,-2.2) 33(-1.2,2.2) 34(-1.2,-2.2) 35(-2,2.2) 36(-2,-2.2) 37(-2.8,2.2) 38(-2.8,-2.2) 39(-3.6,2.2) 40(-3.6,-2.2) 41(-4.4,2.2) 42(-4.4,-2.2) 43(-5.2,2.2) 44(-5.2,-2.2) 45(-6,2.2) 46(-6,-2.2) 47(-6.8,2.2) 48(-6.8,-2.2) 49(-7.6,2.2) 50(-7.6,-2.2) 51(-8.4,2.2) 52(-8.4,-2.2) 53(-9.2,2.2) 54(-9.2,-2.2) 55(-10,2.2) 56(-10,-2.2) 57(-10.8,2.2) 58(-10.8,-2.2) 59(-11.6,2.2) 60(-11.6,-2.2)
  round 0.5 hole 0.8: PEG(-14.1,0)
  round 0.5 hole 1.2: PEG(14.1,0)
  silkscreen extent -14.9,-3 15,5, body extent -14.9,-3 14.9,3, height 3.7
FTSH-105-01-XXX-DV-K [mil]
  rect 29x110 smd mask+2: 1(-100,-80) 2(-100,80) 3(-50,-80) 4(-50,80) 5(0,-80) 6(0,80) 7(50,-80) 8(50,80) 9(100,-80) 10(100,80)
  silkscreen extent -145,-150 145,150
HDR_100MIL_1X6 [mm]
  round 1.8 hole 1.016: 1(0,0) 2(2.54,0) 3(5.08,0) 4(7.62,0) 5(10.16,0) 6(12.7,0)
  silkscreen extent -2.54,-1.27 13.97,1.27, body extent -1.27,-1.27 13.97,1.27, height 9.5
LEDC1608X06N [mm] "Chip Diode, 2-Leads, Body 1.60x0.80mm, IPC Medium Density"
  rect 1x1.1 smd: A(0.85,0) C(-0.85,0)
  silkscreen extent -1.65,-0.64 -1.65,0.63, body extent -0.85,-0.45 0.85,0.45, height 0.6
m2_pan_loose_round [mm]
  round 4.3 hole 2.3: 1(0,0)
molex_microfit_2x6_90deg [mil]
  rect 80x80 hole 40: 1(118.11,0)
  round 80 hole 40: 2(0,0) 3(-118.11,0) 4(118.11,118.11) 5(0,118.11) 6(-118.11,118.11)
  round 35.43 hole 118.11: 7(0,-170)
  silkscreen extent -250,-350 250,40
molex_picoblade_1x4 [mm]
  rect 0.8x1.6 smd: 1(-1.875,2.9) 2(-0.625,2.9) 3(0.625,2.9) 4(1.875,2.9)
  rect 2.1x3 smd: TAB(-4.425,0) TAB(4.425,0)
  body extent -5.07,-1.97 5.07,3.23, height 3.4
molex_usd [mm] "104031-0811"
  rect 0.85x1.1 smd: 1(3.105,0.25) 2(2.005,0.25) 3(0.905,0.25) 4(-0.195,0.25) 5(-1.295,0.25) 6(-2.395,0.25) 7(-3.495,0.25)
  rect 0.75x1.1 smd: 8(-4.545,0.25)
  rect 1.17x1.8 smd: SHIELD(-5.755,0.6)
  rect 1.9x1.35 smd: SHIELD(-3.73,11.075) SHIELD(2.24,11.075)
  rect 1.55x1.35 smd: SHIELD(5.565,0.375)
  rect 1.2x1 smd: SW1(5.74,6.4) SW2(5.74,10.1)
  silkscreen extent -6,0 6,11.4, body extent -5.98,0 5.97,11.4, height 1.44
NCH_SON65P330X80_HS-9N [mm] "SON, 8-Leads, Body 3.30x3.30mm, Pitch 0.65mm, Thermal Pad 2.27x1.70mm, IPC Medium Density"
  rect 1.7x2.37 smd: D(0.425,0)
  rect 0.9x0.42 smd: D(1.515,0.975) D(1.515,-0.325) D(1.515,0.325) D(1.515,-0.975) G(-1.515,-0.975) S(-1.515,0.975) S(-1.515,-0.325) S(-1.515,0.325)
  silkscreen extent -2.28,-1.83 1.83,1.87, body extent -1.68,-1.68 1.68,1.68, height 0.8
NCH_SOT95P237X110-3N [mm] "SOT23, 3-Leads, Body 2.90x2.37mm, Pitch 0.95mm, IPC Medium Density"
  rect 1x0.6 smd: D(1.2,0) G(-1.2,0.95) S(-1.2,-0.95)
  silkscreen extent -1.33,-1.5 0.7,1.92, body extent -0.7,-1.5 0.7,1.5, height 1.1
NPN_SOT95P230X110-3N [mm] "SOT23, 3-Leads, Body 2.90x2.30mm, Pitch 0.95mm, IPC Medium Density"
  rect 0.9x0.6 smd: B(-1.15,0.95) C(1.15,0) E(-1.15,-0.95)
  silkscreen extent -1.28,-1.5 0.7,1.92, body extent -0.7,-1.5 0.7,1.5, height 1.1
NXP_LFPAK56D127P610X105-8N [mm] "SOIC, 8-Leads, Body 5.13x4.58mm, Pitch 1.27mm, IPC Medium Density"
  oval 1.15x0.6 smd: B1(-2.925,0.635) B2(-2.925,-1.905) E1(-2.925,1.905) E2(-2.925,-0.635)
  rect 4.1x1.97 smd: C1(0.32,1.27) C2(0.32,-1.27)
  rect 1.25x0.7 smd: C1(2.925,0.635)
  rect 1.15x0.7 smd: C1(2.925,1.905) C2(2.925,-1.905) C2(2.925,-0.635)
  silkscreen extent -3.05,-2.65 1.95,2.88, body extent -3.07,-2.55 3.09,2.55, height 1.05
NXP_QFN65P600X600X100_HS-29M [mm] "QFN, 28-Leads, Body 6.00x6.00mm, Pitch 0.65mm, Thermal Pad 4.10x4.10mm, IPC Low Density"
  oval 1.2x0.3 smd: 1(-2.85,1.95) 2(-2.85,1.3) 3(-2.85,0.65) 4(-2.85,0) 5(-2.85,-0.65) 6(-2.85,-1.3) 7(-2.85,-1.95) 15(2.85,-1.95) 16(2.85,-1.3) 17(2.85,-0.65) 18(2.85,0) 19(2.85,0.65) 20(2.85,1.3) 21(2.85,1.95)
  oval 0.3x1.2 smd: 8(-1.95,-2.85) 9(-1.3,-2.85) 10(-0.65,-2.85) 11(0,-2.85) 12(0.65,-2.85) 13(1.3,-2.85) 14(1.95,-2.85) 22(1.95,2.85) 23(1.3,2.85) 24(0.65,2.85) 25(0,2.85) 26(-0.65,2.85) 27(-1.3,2.85) 28(-1.95,2.85)
  rect 4.1x4.1 smd: 29(0,0)
  silkscreen extent -3.97,-3.2 3.2,3.2, body extent -3.05,-3.05 3.05,3.05, height 1
PUI_AUDIO_SPEAKER [mm]
  rect 2x2 smd: 1(-8,1) 2(8,1)
  silkscreen extent -9,0 9,13
R1005[0402] [mm] "1005[0402]"
  rect 0.55x0.6 smd: 1(-0.475,0) 2(0.475,0)
  body extent -0.55,-0.3 0.55,0.3, height 0.4
SC_DSK-3R3H224U-HL [mm] "Aluminum Electrolytic Capacitor, Body 7.70x6.80x3.00mm, IPC Low Density"
  rect 2x5 smd: 1(-5,0) 2(5,0)
  silkscreen extent -3.85,-3.4 3.85,3.4, body extent -3.4,-3.4 3.4,3.4, height 3.5